# KiCad board BACKUP_PCB.kicad_pcb (continued)
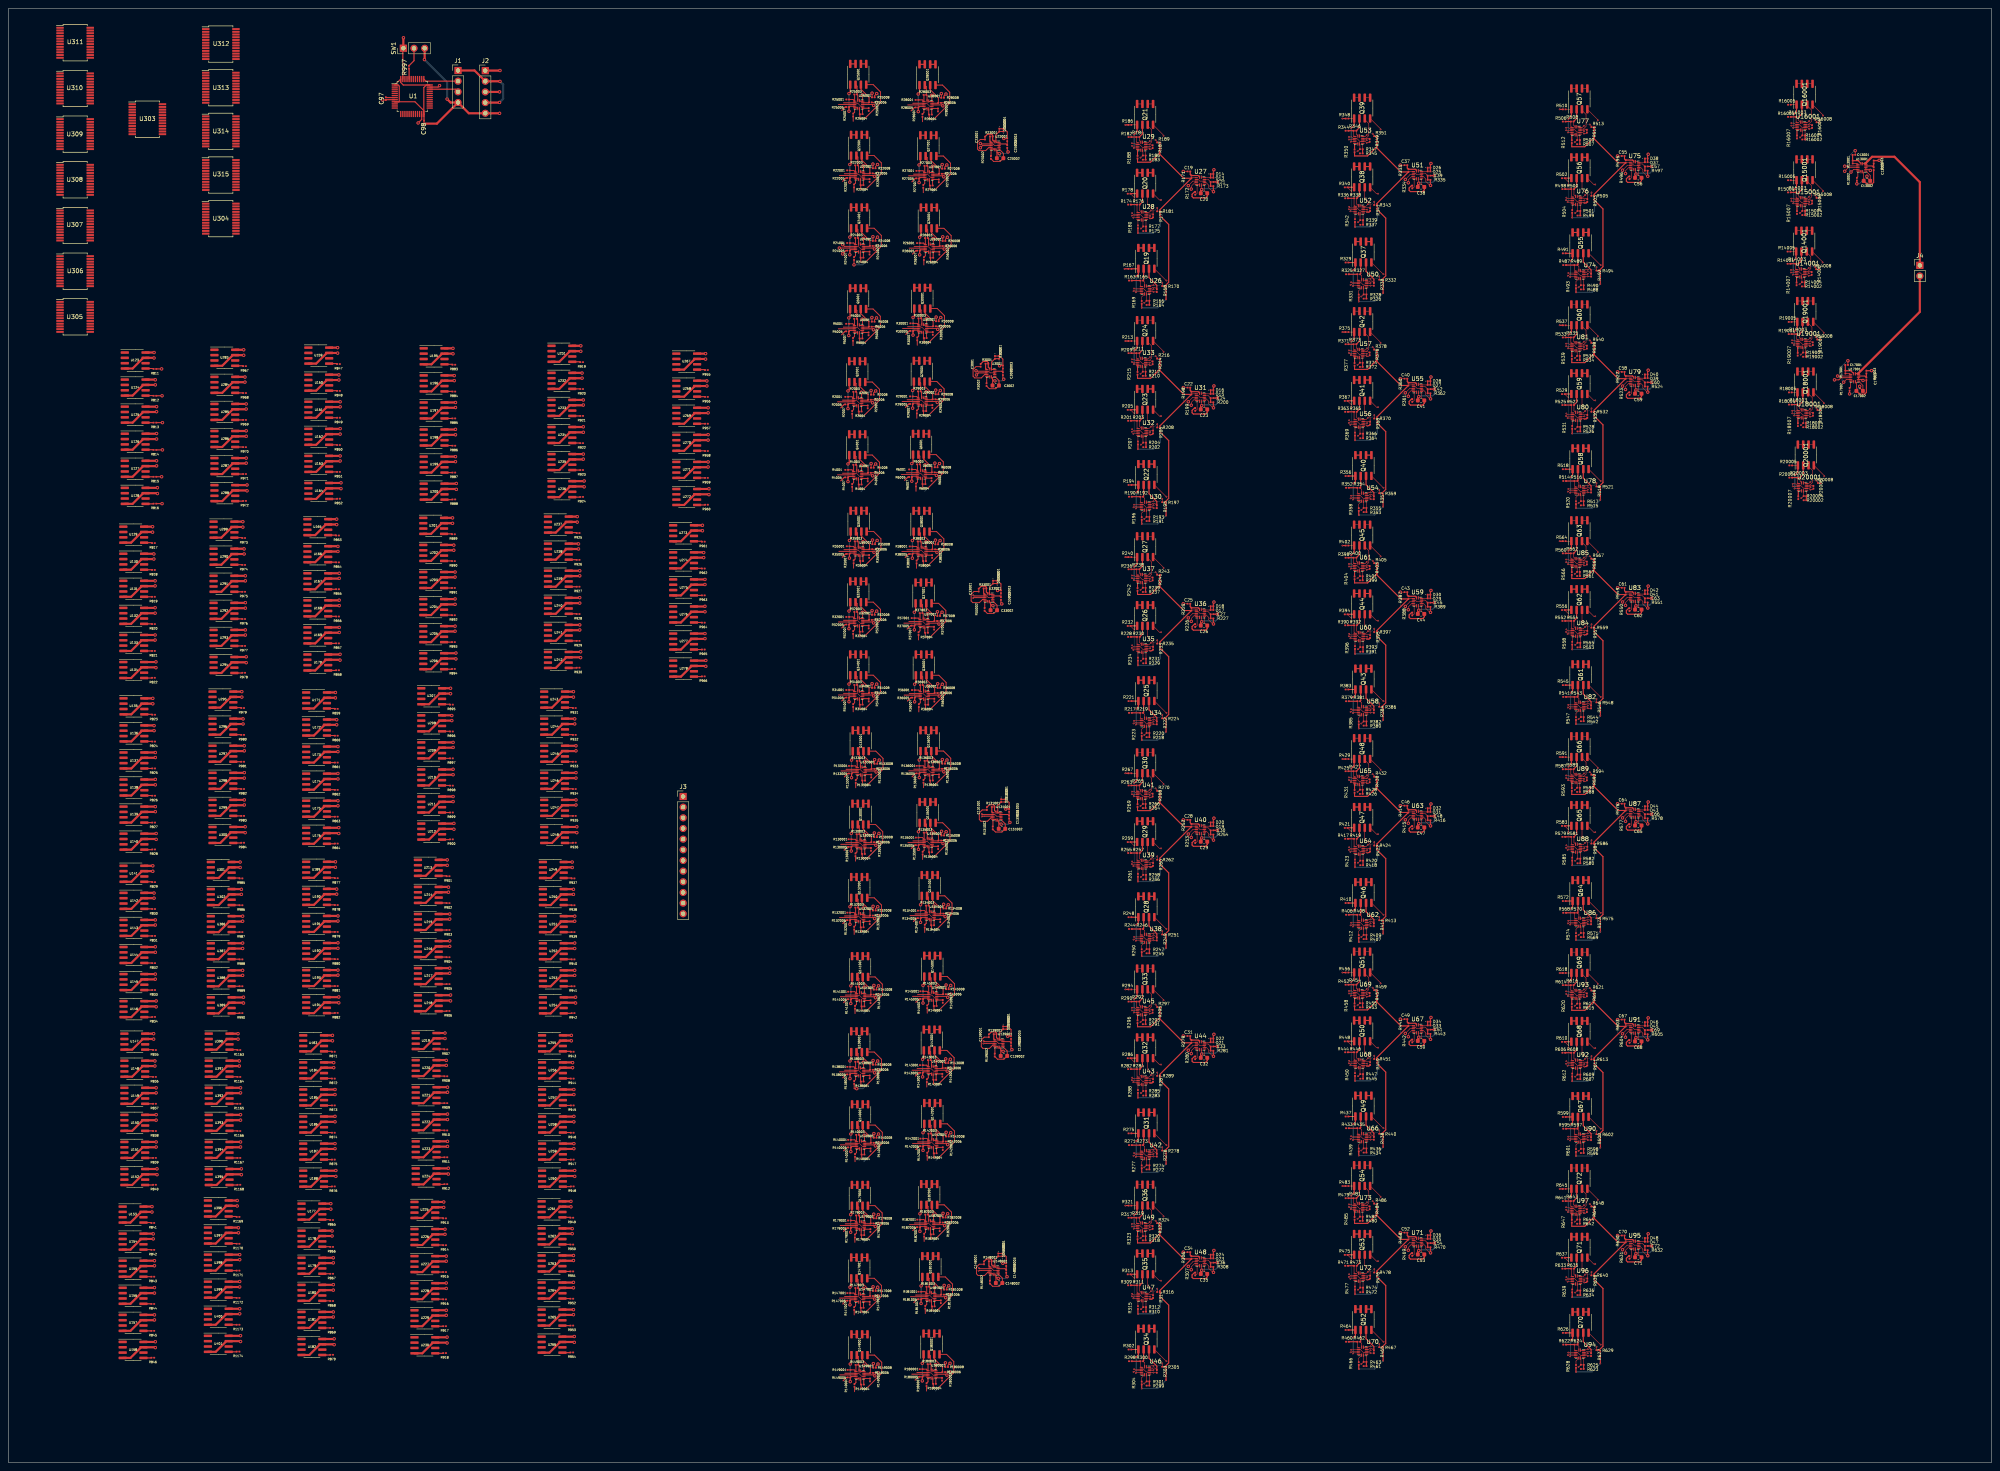
[diagram p0: board, top side]
## Routing (per net, layer and track width the routed paths; a pad name or vN(x,y) marks a point on that pad's centre or on a via; arc(x,y) is an arc through that point) (continued)
  Top w0.15: v2(437.41,307.7) 438.26,308.55 U13001.3
  Top w0.2: U131001.3 231.94,154.03 v1(231.86,153.94) ; U138001.3 197.97,93.1 ; U145001.3 215.37,111.1 ; U33001.3 229.92,206.1 v1(229.83,206) ; U2001.3 197.49,252.75 ; U32001.3 197.73,200.3 ; U24001.3 v2(197.93,289.4) ; U149001.3 198.03,20.89 ; U28001.3 214.23,323.5 ; U132001.3 197.97,129.85 ; U141001.3 198.17,111 ; U30001.3 212.99,270.25 ; U36001.3 213.36,182.88 ; U37001.3 213.3,200.03 ; U179001.3 198.13,56.49 ; U34001.3 197.73,182.9 ; v2(230.6,259.16) 230.98,259.54 230.98,259.65 U3001.3 ; U182001.3 214.63,56.69 ; U139001.3 232.29,99.9 v1(232.24,99.85) ; U38001.3 212.83,217.1 ; U27001.3 214.43,306.6 ; U17001.3 436.53,258.5 436.02,257.99 v2(434.98,257.99) ; v2(231.53,313.3) 231.53,313.31 232.02,313.8 U23001.3 ; U5001.3 197.69,270.15 ; U180001.3 215.2,21.07 ; U135001.3 214.27,147.72 ; U22001.3 197.93,306.7 ; U136001.3 214.47,164.82 ; U35001.3 197.83,217.12 ; U29001.3 212.89,252.85 ; U143001.3 215.27,93.5 ; U26001.3 214.56,289.38 ; U148001.3 231.16,45.79 v1(231.09,45.72) ; U6001.3 212.69,235.45 ; U142001.3 215.37,76 ; U134001.3 214.77,130.32 ; U25001.3 197.73,323.6 ; U133001.3 198.34,164.8 ; U4001.3 197.49,235.35 ; U140001.3 198.17,75.7 ; U147001.3 197.97,39.19 ; U181001.3 214.9,39.52 ; U130001.3 198.27,147.32
  Top w0.25: R816.1 v2(36.6,228.5) ; R815.1 v2(36.5,234.9) ; R813.1 v2(36.7,247.8) ; R812.1 v2(36.6,254.2) ; R814.1 v2(36.7,241.3) ; R811.1 v2(36.5,260.6)
  Top w0.5: U197.8 106.5,252.61 v2(106.5,252.6) ; v2(56.65,245.85) 56.61,245.81 U286.8 ; U299.8 56.19,157.91 v2(56.2,157.9) ; U399.8 55.06,43.11 v2(55.1,43.15) ; U271.8 166.67,238.44 v2(166.68,238.44) ; v2(55.6,183.7) 55.59,183.71 U295.8 ; v2(35,122.9) 34.95,122.85 U144.8 ; v2(55.8,117.3) 55.8,117.31 U388.8 ; v2(35,169.2) 34.99,169.21 U137.8 ; v2(34.9,95.7) 34.84,95.75 U148.8 ; U250.8 134.54,136.66 v2(134.6,136.6) ; v2(35.3,251.6) 35.3,251.61 U125.8 ; v2(35.2,89.3) 35.2,89.31 U149.8 ; U220.8 104.25,95.9 v2(104.3,95.85) ; U134.8 35.1,190.75 v2(35.15,190.8) ; U217.8 105.12,117.82 v2(105.12,117.81) ; v2(56.45,211.3) 56.44,211.31 U291.8 ; U237.8 135.5,225.41 v2(135.5,225.4) ; U189.8 77.89,143.16 v2(77.9,143.15) ; v2(56.65,239.35) 56.64,239.36 U287.8 ; v2(104.3,36.3) 104.3,36.31 U229.8 ; v2(105.12,124.31) 105.08,124.27 U216.8 ; U157.8 34.8,35.2 v2(34.8,35.2) ; U266.8 134.75,30 v2(134.8,30.05) ; 52.47,49.56 55.09,49.56 v2(55.1,49.55) ; v2(136.1,212.5) 136.09,212.5 U239.8 ; v2(136.35,266.1) 136.34,266.11 U231.8 ; 103.78,212.21 106.39,212.21 v2(106.4,212.2) ; v2(134.7,82.5) 134.66,82.45 U258.8 ; U218.8 105.28,111.37 v2(105.33,111.41) ; v2(78.8,199) 78.8,199 U169.8 ; U275.8 165.92,210.44 v2(165.93,210.44) ; v2(56.2,170.8) 56.19,170.81 U297.8 ; v2(78.2,224.8) 78.19,224.81 U165.8 ; U196.8 106.14,259.06 v2(106.2,259) ; v2(79.03,252.76) 79.02,252.77 U161.8 ; v2(56.45,204.9) 56.41,204.85 U292.8 ; v2(34.2,61) 34.2,61 U153.8 ; U152.8 35.35,69.95 v2(35.4,70) ; v2(78.2,177) 78.14,177.06 U172.8 ; U170.8 78.95,192.56 v2(79,192.6) ; v2(35,162.8) 34.95,162.75 U138.8 ; v2(55.1,36.65) 55.09,36.65 U400.8 ; U225.8 103.69,62.11 v2(103.7,62.1) ; U133.8 34.95,197.21 v2(34.95,197.2) ; U171.8 77.89,183.5 v2(77.9,183.5) ; U270.8 166.63,244.89 v2(166.68,244.94) ; 52.67,82.86 55.25,82.86 v2(55.3,82.9) ; U284.8 56.3,258.7 v2(56.35,258.65) ; U241.8 136.09,199.6 v2(136.1,199.6) ; U183.8 77.19,101.81 v2(77.2,101.8) ; 101.67,29.86 104.45,29.86 v2(104.5,29.9) ; U240.8 136.06,206.06 v2(136.1,206.1) ; U187.8 77.8,76 v2(77.8,76) ; U242.8 136.25,193.16 v2(136.3,193.2) ; U207.8 105.32,184.51 v2(105.33,184.5) ; U255.8 134.09,101.81 v2(134.1,101.8) ; v2(106.4,199.3) 106.39,199.31 103.78,199.31 ; U254.8 135.06,110.85 v2(135.1,110.9) ; U296.8 55.84,177.25 v2(55.9,177.2) ; v2(134.7,76) 134.69,76 U259.8 ; v2(34.95,210.1) 34.95,210.1 U131.8 ; 32.58,82.86 35.16,82.86 v2(35.2,82.9) ; U162.8 78.98,246.32 v2(79.03,246.37) ; U234.8 136.91,246.75 v2(136.95,246.8) ; U160.8 78.67,259.22 v2(78.72,259.17) ; v2(55.5,136.6) 55.44,136.66 U302.8 ; v2(165.93,197.53) 165.92,197.54 U277.8 ; v2(35.2,110) 35.16,109.96 U146.8 ; 74.78,29.45 77.56,29.45 v2(77.6,29.5) ; v2(105.92,158.71) 105.92,158.71 U211.8 ; v2(35,156.3) 34.99,156.31 U139.8 ; v2(34.7,175.6) 34.65,175.66 U136.8 ; U401.8 55.25,30.2 v2(55.3,30.25) ; v2(77.4,35.9) 77.39,35.9 74.78,35.9 ; U396.8 54.5,62.45 v2(54.5,62.45) ; U143.8 34.99,129.31 v2(35,129.3) ; v2(104.6,76.55) 104.59,76.56 101.97,76.56 ; U278.8 166.08,191.09 v2(166.12,191.13) ; U156.8 34.76,41.65 v2(34.8,41.7) ; v2(105.9,265.5) 105.89,265.5 U195.8 ; v2(135.2,170.8) 135.19,170.81 U245.8 ; v2(34.8,48.1) 34.8,48.11 U155.8 ; v2(134.7,88.9) 134.69,88.9 U257.8 ; U209.8 105.92,171.61 v2(105.92,171.6) ; U198.8 106.45,246.16 v2(106.5,246.2) ; U228.8 104.25,42.75 v2(104.3,42.8) ; v2(35,258) 34.95,258.06 U124.8 ; v2(78.5,218.3) 78.44,218.35 U166.8 ; v2(76.8,61.7) 76.8,61.7 74.78,61.7 ; J2.3 117,326.6 v2(117,326.6) ; U244.8 134.84,177.25 v2(134.9,177.2) ; v2(104,55.6) 103.94,55.65 U226.8 ; v2(104.83,137.12) 104.77,137.17 U214.8 ; v2(166.07,264.24) 166.07,264.24 U267.8 ; U247.8 135.19,157.91 v2(135.2,157.9) ; 74.78,55.25 77.05,55.25 v2(77.1,55.2) ; v2(35.2,76.4) 35.2,76.4 U151.8 ; v2(56.65,192) 56.61,191.96 U294.8 ; v2(79.03,239.87) 79.02,239.87 U163.8 ; v2(136.95,240.3) 136.94,240.31 U235.8 ; v2(104,102.35) 104,102.36 101.97,102.36 ; v2(78.5,123.85) 78.45,123.81 U192.8 ; U168.8 78.75,205.46 v2(78.8,205.5) ; U288.8 56.81,232.91 v2(56.85,232.95) ; v2(35.3,245.2) 35.26,245.16 U126.8 ; v2(135.2,164.4) 135.16,164.35 U246.8 ; v2(78.5,157.7) 78.5,157.71 U175.8 ; U236.8 137.1,233.86 v2(137.15,233.9) ; U387.8 55.75,123.75 v2(55.8,123.8) ; v2(35,28.8) 34.95,28.75 U158.8 ; U269.8 166.67,251.34 v2(166.68,251.33) ; v2(106.7,233.3) 106.66,233.25 U200.8 ; U174.8 78.45,164.16 v2(78.5,164.2) ; v2(77.8,82.5) 77.75,82.45 U186.8 ; U233.8 136.94,253.2 v2(136.95,253.2) ; v2(106.12,152.31) 106.08,152.26 U212.8 ; v2(77.5,95.3) 77.44,95.36 75.17,95.36 ; U173.8 78.5,170.6 v2(78.5,170.6) ; U274.8 165.57,216.89 v2(165.62,216.84) ; v2(134.9,117.3) 134.9,117.31 U253.8 ; U276.8 165.88,203.99 v2(165.93,204.03) ; 103.78,218.66 106.05,218.66 v2(106.1,218.6) ; U185.8 77.8,88.9 v2(77.8,88.9) ; v2(134.6,36.45) 134.59,36.45 U265.8 ; v2(134.6,42.95) 134.56,42.9 U264.8 ; U290.8 56.09,217.75 v2(56.15,217.7) ; U243.8 134.59,183.71 v2(134.6,183.7) ; U159.8 78.42,265.67 v2(78.42,265.67) ; 131.97,49.36 134.59,49.36 v2(134.6,49.35) ; v2(134.4,95.3) 134.34,95.36 132.07,95.36 ; U191.8 78.5,130.25 v2(78.5,130.25) ; U213.8 104.52,143.62 v2(104.53,143.62) ; v2(55.5,70) 55.45,69.95 U395.8 ; 74.78,48.81 77.39,48.81 v2(77.4,48.8) ; U208.8 105.57,178.06 v2(105.62,178) ; v2(55.3,76.4) 55.3,76.4 U394.8 ; v2(78.2,136.65) 78.14,136.71 U190.8 ; v2(35.5,232.3) 35.45,232.25 U128.8 ; 74.78,42.36 77.36,42.36 v2(77.4,42.4) ; U141.8 34.4,142.21 v2(34.4,142.2) ; v2(56.65,252.25) 56.64,252.25 U285.8 ; U127.8 35.3,238.7 v2(35.3,238.7) ; U268.8 166.32,257.79 v2(166.38,257.74) ; U261.8 134,62.25 v2(134,62.25) ; U300.8 56.36,151.46 v2(56.4,151.5) ; U193.8 78.5,117.35 v2(78.5,117.35) ; v2(134.3,143.1) 134.29,143.1 U249.8 ; U210.8 105.88,165.16 v2(105.92,165.21) ; U390.8 54.69,102.2 v2(54.7,102.2) ; U129.8 34.34,223 v2(34.35,223) ; v2(56,110.9) 55.95,110.85 U389.8 ; v2(105.12,130.72) 105.12,130.72 U215.8 ; U272.8 166.83,231.99 v2(166.88,232.03) ; 32.17,54.56 34.45,54.56 v2(34.5,54.5) ; U252.8 134.85,123.75 v2(134.9,123.8) ; v2(104.8,70.15) 104.75,70.11 U224.8 ; v2(134.9,130.2) 134.9,130.21 U251.8 ; v2(34.65,216.5) 34.59,216.56 U130.8 ; 75.17,69.56 77.95,69.56 v2(78,69.6) ; U232.8 136.59,259.65 v2(136.65,259.6) ; v2(34.7,135.7) 34.65,135.75 U142.8 ; v2(35.2,149.9) 35.16,149.85 U140.8 ; U123.8 34.7,264.5 v2(34.7,264.5) ; U283.8 56.05,265.15 v2(56.05,265.15) ; U248.8 135.35,151.46 v2(135.4,151.5) ; v2(56.2,164.4) 56.16,164.35 U298.8 ; U164.8 79.18,233.42 v2(79.22,233.47) ; v2(104.3,49.2) 104.3,49.2 U227.8 ; v2(55.85,224.2) 55.84,224.21 U289.8 ; U301.8 55.19,143.1 v2(55.2,143.1) ; 103.78,205.75 106.36,205.75 v2(106.4,205.8) ; v2(35,116.4) 34.99,116.41 U145.8 ; U221.8 104.59,89.45 v2(104.6,89.45) ; v2(55.3,89.3) 55.3,89.31 U392.8 ; v2(106.6,192.9) 106.56,192.85 103.78,192.85 ; v2(78.7,110.95) 78.66,110.91 U194.8 ; v2(134.3,55.75) 134.25,55.81 U262.8 ; v2(78.7,151.3) 78.66,151.25 U176.8 ; v2(54.8,55.95) 54.75,56 U397.8 ; U391.8 54.94,95.75 v2(55,95.7) ; U386.8 55.8,130.21 v2(55.8,130.2) ; v2(105.8,225.1) 105.8,225.1 103.78,225.1 ; U293.8 56.44,198.41 v2(56.45,198.4) ; v2(135.8,218.9) 135.75,218.96 U238.8 ; U167.8 78.8,211.91 v2(78.8,211.9) ; U147.8 34.59,102.2 v2(34.6,102.2) ; U222.8 104.56,83 v2(104.6,83.05) ; U135.8 34.4,182.1 v2(34.4,182.1) ; 132.07,69.56 134.85,69.56 v2(134.9,69.6) ; U273.8 165.32,223.34 v2(165.32,223.34) ; U132.8 34.91,203.66 v2(34.95,203.7) ; U199.8 106.5,239.7 v2(106.5,239.7)
-5V: length 160.4
  Top w0.1: U56.10 v1(323.66,247.68) ; U47.10 v1(271.96,39.55) ; v1(324.46,281.1) 324.27,280.9 U50.10 ; U60.10 v1(323.66,196.81) ; U34.10 272.57,176.4 v1(272.76,176.6) ; U33.10 271.8,262.15 v1(271.86,262.08) ; U52.10 v1(323.66,298.55) ; v1(323.56,264.21) 323.5,264.28 U57.10 ; v1(271.86,159.08) 271.8,159.15 U41.10 ; U53.10 323.5,315.15 v1(323.56,315.08) ; U70.10 324.27,26.55 v1(324.46,26.75) ; v1(376.2,180.4) 376.01,180.2 U82.10 ; U62.10 324.27,128.29 v1(324.46,128.49) ; v1(324.46,77.62) 324.27,77.42 U66.10 ; U73.10 323.5,60.8 v1(323.56,60.73) ; U93.10 375.24,111.56 v1(375.31,111.49) ; v1(324.46,230.23) 324.27,230.03 U54.10 ; U37.10 271.8,210.65 v1(271.86,210.58) ; v1(428.95,300.39) 428.88,300.45 U15001.10 ; v1(272.76,125.1) 272.57,124.9 U38.10 ; U18001.10 429.1,249.9 v1(429.16,249.83) ; U92.10 v1(375.4,94.96) ; U68.10 v1(323.66,95.07) ; U84.10 v1(375.4,197.85) ; v1(375.31,214.38) 375.24,214.45 U85.10 ; v1(375.31,317.27) 375.24,317.34 U77.10 ; v1(429.26,232.43) 429.2,232.5 U20001.10 ; v1(272.76,228.1) 272.57,227.9 U30.10 ; U43.10 v1(271.96,91.05) ; U16001.10 428.88,318.45 v1(428.95,318.39) ; v1(376.2,128.95) 376.01,128.76 U86.10 ; U35.10 v1(271.96,194.05) ; U89.10 375.24,163.01 v1(375.31,162.94) ; v1(272.76,73.6) 272.57,73.4 U42.10 ; U46.10 272.57,21.9 v1(272.76,22.1) ; U78.10 376.01,231.64 v1(376.2,231.84) ; v1(375.31,265.83) 375.24,265.89 U81.10 ; v1(376.2,26.06) 376.01,25.87 U94.10 ; U88.10 v1(375.4,146.41) ; U26.10 272.57,279.4 v1(272.76,279.6) ; U72.10 v1(323.66,44.2) ; U28.10 v1(271.96,297.05) ; v1(271.86,313.58) 271.8,313.65 U29.10 ; U45.10 271.8,107.65 v1(271.86,107.58) ; U74.10 376.01,283.09 v1(376.2,283.28) ; v1(323.56,162.47) 323.5,162.54 U65.10 ; U69.10 323.5,111.67 v1(323.56,111.6) ; U14001.10 428.78,283.45 v1(428.85,283.39) ; U96.10 v1(375.4,43.52) ; U80.10 v1(375.4,249.29) ; U58.10 324.27,179.16 v1(324.46,179.36) ; U64.10 v1(323.66,145.94) ; v1(429.11,266.63) 429.05,266.7 U19001.10 ; v1(375.31,60.05) 375.24,60.12 U97.10 ; U61.10 323.5,213.41 v1(323.56,213.34) ; U49.10 271.8,56.15 v1(271.86,56.08) ; U32.10 v1(271.96,245.55) ; U90.10 376.01,77.31 v1(376.2,77.51) ; U39.10 v1(271.96,142.55) ; U76.10 v1(375.4,300.74)
  Top w0.2: U136001.10 222.61,164.82 v2(222.83,164.6) ; v2(223.63,93.27) 223.4,93.5 U143001.10 ; v2(206.39,20.67) 206.17,20.89 U149001.10 ; v2(223.13,130.1) 222.91,130.32 U134001.10 ; v2(206.63,147.1) 206.41,147.32 U130001.10 ; U135001.10 222.41,147.72 v2(222.63,147.5) ; v2(222.59,323.27) 222.37,323.5 U28001.10 ; U29001.10 221.03,252.85 v2(221.25,252.62) ; U4001.10 205.63,235.35 v2(205.85,235.12) ; U180001.10 223.33,21.07 v2(223.56,20.84) ; U37001.10 221.44,200.03 v2(221.66,199.8) ; U147001.10 206.1,39.19 v2(206.33,38.97) ; v2(206.29,289.17) 206.07,289.4 U24001.10 ; U6001.10 220.83,235.45 v2(221.05,235.22) ; U22001.10 206.07,306.7 v2(206.29,306.47) ; v2(206.05,269.92) 205.83,270.15 U5001.10 ; U32001.10 205.87,200.3 v2(206.09,200.07) ; U25001.10 205.87,323.6 v2(206.09,323.37) ; v2(223.73,110.87) 223.5,111.1 U145001.10 ; U179001.10 206.27,56.49 v2(206.49,56.27) ; v2(222.99,56.47) 222.77,56.69 U182001.10 ; U35001.10 205.97,217.12 v2(206.2,216.9) ; U141001.10 206.3,111 v2(206.53,110.77) ; U2001.10 205.63,252.75 v2(205.85,252.52) ; U138001.10 206.1,93.1 v2(206.33,92.87) ; v2(221.73,182.65) 221.5,182.88 U36001.10 ; v2(206.09,182.67) 205.87,182.9 U34001.10 ; v2(206.33,129.62) 206.1,129.85 U132001.10 ; U140001.10 206.3,75.7 v2(206.53,75.47) ; U133001.10 206.47,164.8 v2(206.7,164.57) ; v2(223.26,39.29) 223.04,39.52 U181001.10 ; v2(223.73,75.77) 223.5,76 U142001.10 ; v2(221.35,270.02) 221.13,270.25 U30001.10 ; v2(222.79,306.37) 222.57,306.6 U27001.10 ; U38001.10 220.97,217.1 v2(221.19,216.87) ; v2(222.93,289.15) 222.7,289.38 U26001.10
  Top w0.5: v2(117.1,331.7) 117.07,331.68 J2.1
GND: length 2429
  Top w0.1: v2(287.06,96.83) 286.88,96.83 285.89,97.81 285.89,98.39 285.34,98.95 U44.9 U44.10 283.82,99.35 283.42,99.75 U44.2 ; 376.98,128.31 v1(376.2,128.31) 376.15,128.36 U86.9 374.82,128.36 374.72,128.46 374.47,128.46 373.77,129.16 U86.2 ; U82.2 373.77,180.6 374.47,179.9 374.72,179.9 374.82,179.8 U82.9 376.15,179.8 v1(376.2,179.75) 376.98,179.75 ; v1(371.11,198.53) 371.38,198.25 U84.2 373,198.25 373.7,197.55 373.9,197.55 374,197.45 U84.9 ; 216.49,235.8 217.01,235.8 217.06,235.75 217.29,235.75 217.99,235.05 U6001.9 ; 201.29,253.1 201.81,253.1 201.86,253.05 202.09,253.05 202.79,252.35 U2001.9 ; 273.54,278.95 v1(272.76,278.95) 272.71,279 U26.9 271.38,279 271.28,279.1 271.03,279.1 270.33,279.8 U26.2 ; v1(323.66,43.6) 323.51,43.75 322.76,43.75 ; R619.1 375.75,110.89 v1(375.3,110.89) 375.23,110.96 375.2,110.96 375,111.16 U93.9 373.92,111.16 373.82,111.26 373.6,111.26 372.9,111.96 U93.2 372.02,111.96 371.7,112.29 v1(371.05,112.29) ; U149001.9 203.33,20.49 202.63,21.19 202.41,21.19 202.36,21.24 201.83,21.24 ; U136001.9 219.77,164.43 219.07,165.12 218.85,165.12 218.8,165.18 218.27,165.18 ; U29001.9 218.19,252.45 217.49,253.15 217.26,253.15 217.21,253.2 216.69,253.2 ; R268.1 272.31,158.48 v1(271.86,158.48) 271.79,158.55 271.76,158.55 271.56,158.75 U41.9 270.48,158.75 270.38,158.85 270.16,158.85 269.46,159.55 U41.2 268.58,159.55 268.26,159.88 v1(267.61,159.88) ; U24001.9 203.23,289 202.53,289.7 202.3,289.7 202.25,289.75 201.73,289.75 ; R565.1 375.75,213.78 v1(375.3,213.78) 375.23,213.85 375.2,213.85 375,214.05 U85.9 373.92,214.05 373.82,214.15 373.6,214.15 372.9,214.85 U85.2 372.02,214.85 371.7,215.18 v1(371.05,215.18) ; 271.06,193.6 271.81,193.6 v1(271.96,193.45) ; v2(287.06,148.33) 286.88,148.33 285.89,149.31 285.89,149.89 285.34,150.45 U40.9 U40.10 283.82,150.85 283.42,151.25 U40.2 ; 373.3,231.99 v1(371.57,231.99) ; v1(267.66,246.23) 267.94,245.95 U32.2 269.56,245.95 270.26,245.25 270.46,245.25 270.56,245.15 U32.9 ; v1(371.11,249.97) 371.38,249.69 U80.2 373,249.69 373.7,248.99 373.9,248.99 374,248.89 U80.9 ; 325.24,127.84 v1(324.46,127.84) 324.41,127.89 U62.9 323.08,127.89 322.98,127.99 322.73,127.99 322.03,128.69 U62.2 ; 219,21.42 219.52,21.42 219.57,21.37 219.8,21.37 220.5,20.67 U180001.9 ; v1(319.31,265.01) 319.96,265.01 320.28,264.68 U57.2 321.16,264.68 321.86,263.98 322.08,263.98 322.18,263.88 U57.9 323.26,263.88 323.46,263.68 323.49,263.68 v1(323.56,263.61) 324.01,263.61 R376.1 ; U58.2 322.03,179.56 322.73,178.86 322.98,178.86 323.08,178.76 U58.9 324.41,178.76 v1(324.46,178.71) 325.24,178.71 ; v1(371.05,163.73) 371.7,163.73 372.02,163.41 U89.2 372.9,163.41 373.6,162.71 373.82,162.71 373.92,162.61 U89.9 375,162.61 375.2,162.41 375.23,162.41 v1(375.3,162.34) 375.75,162.34 R592.1 ; 201.53,183.25 202.05,183.25 202.1,183.2 202.33,183.2 203.03,182.5 U34001.9 ; v2(338.76,304.33) 338.58,304.33 337.59,305.31 337.59,305.89 337.04,306.45 U51.9 U51.10 335.52,306.85 335.12,307.25 U51.2 ; v1(425.01,233.23) 425.66,233.23 425.98,232.9 U20001.2 426.86,232.9 427.56,232.2 427.78,232.2 427.88,232.1 U20001.9 428.96,232.1 429.16,231.9 429.19,231.9 v1(429.26,231.83) 429.71,231.83 R20006.1 ; 373.3,26.22 v1(371.57,26.22) ; U179001.9 203.43,56.09 202.73,56.79 202.51,56.79 202.46,56.84 201.93,56.84 ; U96.9 374,43.12 373.9,43.22 373.7,43.22 373,43.92 U96.2 371.38,43.92 v1(371.11,44.19) ; U142001.9 220.67,75.6 219.97,76.3 219.74,76.3 219.69,76.35 219.17,76.35 ; U59.2 335.12,205.51 335.52,205.11 U59.10 U59.9 337.04,204.71 337.59,204.15 337.59,203.57 338.58,202.59 v2(338.76,202.59) ; 216.63,217.45 217.15,217.45 217.2,217.4 217.43,217.4 218.13,216.7 U38001.9 ; 373.3,283.44 v1(371.57,283.44) ; 273.54,21.45 v1(272.76,21.45) 272.71,21.5 U46.9 271.38,21.5 271.28,21.6 271.03,21.6 270.33,22.3 U46.2 ; 269.86,22.25 v1(268.13,22.25) ; v2(338.76,253.46) 338.58,253.46 337.59,254.44 337.59,255.02 337.04,255.58 U55.9 U55.10 335.52,255.98 335.12,256.38 U55.2 ; v1(323.66,247.08) 323.51,247.23 322.76,247.23 ; U27001.9 219.73,306.2 219.03,306.9 218.8,306.9 218.75,306.95 218.23,306.95 ; v1(271.96,90.45) 271.81,90.6 271.06,90.6 ; 269.86,125.25 v1(268.13,125.25) ; U28.9 270.56,296.65 270.46,296.75 270.26,296.75 269.56,297.45 U28.2 267.94,297.45 v1(267.66,297.73) ; v1(424.91,250.63) 425.56,250.63 425.88,250.3 U18001.2 426.76,250.3 427.46,249.6 427.68,249.6 427.78,249.5 U18001.9 428.86,249.5 429.06,249.3 429.09,249.3 v1(429.16,249.23) 429.61,249.23 R18006.1 ; v1(319.36,146.62) 319.64,146.34 U64.2 321.26,146.34 321.96,145.64 322.16,145.64 322.26,145.54 U64.9 ; R19006.1 429.56,266.03 v1(429.11,266.03) 429.04,266.1 429.01,266.1 428.81,266.3 U19001.9 427.73,266.3 427.63,266.4 427.41,266.4 426.71,267.1 U19001.2 425.83,267.1 425.51,267.43 v1(424.86,267.43) ; v2(287.06,302.83) 286.88,302.83 285.89,303.81 285.89,304.39 285.34,304.95 U27.9 U27.10 283.82,305.35 283.42,305.75 U27.2 ; R430.1 324.01,161.87 v1(323.56,161.87) 323.49,161.94 323.46,161.94 323.26,162.14 U65.9 322.18,162.14 322.08,162.24 321.86,162.24 321.16,162.94 U65.2 320.28,162.94 319.96,163.27 v1(319.31,163.27) ; 219.07,93.85 219.59,93.85 219.64,93.8 219.87,93.8 220.57,93.1 U143001.9 ; 271.06,39.1 271.81,39.1 v1(271.96,38.95) ; U35001.9 203.13,216.72 202.43,217.43 202.21,217.43 202.16,217.47 201.63,217.47 ; v1(271.96,244.95) 271.81,245.1 271.06,245.1 ; 321.56,128.64 v1(319.83,128.64) ; 269.86,228.25 v1(268.13,228.25) ; R538.1 375.75,265.23 v1(375.3,265.23) 375.23,265.29 375.2,265.29 375,265.49 U81.9 373.92,265.49 373.82,265.59 373.6,265.59 372.9,266.29 U81.2 372.02,266.29 371.7,266.62 v1(371.05,266.62) ; 374.5,43.07 375.25,43.07 v1(375.4,42.92) ; 219.17,111.45 219.69,111.45 219.74,111.4 219.97,111.4 220.67,110.7 U145001.9 ; 218.03,323.85 218.55,323.85 218.6,323.8 218.83,323.8 219.53,323.1 U28001.9 ; v2(338.76,151.72) 338.58,151.72 337.59,152.7 337.59,153.28 337.04,153.84 U63.9 U63.10 335.52,154.24 335.12,154.64 U63.2 ; v1(319.36,299.23) 319.64,298.95 U52.2 321.26,298.95 321.96,298.25 322.16,298.25 322.26,298.15 U52.9 ; 202.07,147.68 202.6,147.68 202.65,147.62 202.87,147.62 203.57,146.93 U130001.9 ; U181001.9 220.2,39.12 219.5,39.82 219.28,39.82 219.23,39.87 218.7,39.87 ; R511.1 375.75,316.67 v1(375.3,316.67) 375.23,316.74 375.2,316.74 375,316.94 U77.9 373.92,316.94 373.82,317.04 373.6,317.04 372.9,317.74 U77.2 372.02,317.74 371.7,318.06 v1(371.05,318.06) ; 325.24,26.1 v1(324.46,26.1) 324.41,26.15 U70.9 323.08,26.15 322.98,26.25 322.73,26.25 322.03,26.95 U70.2 ; v2(390.5,49.29) 390.32,49.29 389.34,50.28 389.34,50.86 388.78,51.42 U95.9 U95.10 387.26,51.82 386.86,52.22 U95.2 ; v2(390.5,306.51) 390.32,306.51 389.34,307.5 389.34,308.08 388.78,308.64 U75.9 U75.10 387.26,309.04 386.86,309.44 U75.2 ; v2(390.5,100.74) 390.32,100.74 389.34,101.72 389.34,102.31 388.78,102.86 U91.9 U91.10 387.26,103.26 386.86,103.66 U91.2 ; U141001.9 203.47,110.6 202.77,111.3 202.54,111.3 202.49,111.35 201.97,111.35 ; U26001.9 219.86,288.98 219.16,289.68 218.94,289.68 218.89,289.73 218.36,289.73 ; 322.76,298.1 323.51,298.1 v1(323.66,297.95) ; U5001.9 202.99,269.75 202.29,270.45 202.06,270.45 202.01,270.5 201.49,270.5 ; v1(267.66,40.23) 267.94,39.95 U47.2 269.56,39.95 270.26,39.25 270.46,39.25 270.56,39.15 U47.9 ; 325.24,229.58 v1(324.46,229.58) 324.41,229.63 U54.9 323.08,229.63 322.98,229.73 322.73,229.73 322.03,230.43 U54.2 ; R187.1 272.31,312.98 v1(271.86,312.98) 271.79,313.05 271.76,313.05 271.56,313.25 U29.9 270.48,313.25 270.38,313.35 270.16,313.35 269.46,314.05 U29.2 268.58,314.05 268.26,314.38 v1(267.61,314.38) ; 322.76,145.49 323.51,145.49 v1(323.66,145.34) ; U92.9 374,94.56 373.9,94.66 373.7,94.66 373,95.36 U92.2 371.38,95.36 v1(371.11,95.64) ; 322.76,94.62 323.51,94.62 v1(323.66,94.47) ; 374.5,145.96 375.25,145.96 v1(375.4,145.81) ; 376.98,76.86 v1(376.2,76.86) 376.15,76.91 U90.9 374.82,76.91 374.72,77.01 374.47,77.01 373.77,77.71 U90.2 ; 321.56,230.38 v1(319.83,230.38) ; v1(424.69,319.18) 425.34,319.18 425.67,318.85 U16001.2 426.54,318.85 427.24,318.15 427.47,318.15 427.57,318.05 U16001.9 428.64,318.05 428.84,317.85 428.87,317.85 v1(428.94,317.79) 429.39,317.79 R16006.1 ; v1(319.36,197.49) 319.64,197.21 U60.2 321.26,197.21 321.96,196.51 322.16,196.51 322.26,196.41 U60.9 ; 273.54,124.45 v1(272.76,124.45) 272.71,124.5 U38.9 271.38,124.5 271.28,124.6 271.03,124.6 270.33,125.3 U38.2 ; 273.54,175.95 v1(272.76,175.95) 272.71,176 U34.9 271.38,176 271.28,176.1 271.03,176.1 270.33,176.8 U34.2 ; R646.1 375.75,59.45 v1(375.3,59.45) 375.23,59.52 375.2,59.52 375,59.72 U97.9 373.92,59.72 373.82,59.82 373.6,59.82 372.9,60.52 U97.2 372.02,60.52 371.7,60.84 v1(371.05,60.84) ; 322.76,196.36 323.51,196.36 v1(323.66,196.21) ; 218.07,148.07 218.6,148.07 218.65,148.03 218.87,148.03 219.57,147.32 U135001.9 ; U138001.9 203.27,92.7 202.57,93.4 202.34,93.4 202.29,93.45 201.77,93.45 ; U78.2 373.77,232.04 374.47,231.34 374.72,231.34 374.82,231.24 U78.9 376.15,231.24 v1(376.2,231.19) 376.98,231.19 ; 202.14,165.15 202.66,165.15 202.71,165.1 202.94,165.1 203.64,164.4 U133001.9 ; 201.53,200.65 202.05,200.65 202.1,200.6 202.33,200.6 203.03,199.9 U32001.9 ; v2(287.06,251.33) 286.88,251.33 285.89,252.31 285.89,252.89 285.34,253.45 U31.9 U31.10 283.82,253.85 283.42,254.25 U31.2 ; U83.2 386.86,206.55 387.26,206.15 U83.10 U83.9 388.78,205.75 389.34,205.19 389.34,204.61 390.32,203.63 v2(390.5,203.63) ; 271.06,296.6 271.81,296.6 v1(271.96,296.45) ; 201.73,307.05 202.25,307.05 202.3,307 202.53,307 203.23,306.3 U22001.9 ; v1(375.4,197.25) 375.25,197.4 374.5,197.4 ; 201.77,130.2 202.29,130.2 202.34,130.15 202.57,130.15 203.27,129.45 U132001.9 ; v2(390.5,152.18) 390.32,152.18 389.34,153.17 389.34,153.75 388.78,154.31 U87.9 U87.10 387.26,154.71 386.86,155.11 U87.2 ; 325.24,76.97 v1(324.46,76.97) 324.41,77.02 U66.9 323.08,77.02 322.98,77.12 322.73,77.12 322.03,77.82 U66.2 ; 321.56,179.51 v1(319.83,179.51) ; v1(319.36,44.88) 319.64,44.6 U72.2 321.26,44.6 321.96,43.9 322.16,43.9 322.26,43.8 U72.9 ; U42.2 270.33,73.8 271.03,73.1 271.28,73.1 271.38,73 U42.9 272.71,73 v1(272.76,72.95) 273.54,72.95 ; 374.5,94.51 375.25,94.51 v1(375.4,94.36) ; 271.06,142.1 271.81,142.1 v1(271.96,141.95) ; 269.86,73.75 v1(268.13,73.75) ; v1(267.66,194.73) 267.94,194.45 U35.2 269.56,194.45 270.26,193.75 270.46,193.75 270.56,193.65 U35.9 ; U88.9 374,146.01 373.9,146.11 373.7,146.11 373,146.81 U88.2 371.38,146.81 v1(371.11,147.08) ; 217.16,183.22 217.69,183.22 217.74,183.18 217.96,183.18 218.66,182.47 U36001.9 ; 373.3,129.11 v1(371.57,129.11) ; U94.2 373.77,26.27 374.47,25.57 374.72,25.57 374.82,25.47 U94.9 376.15,25.47 v1(376.2,25.42) 376.98,25.42 ; 201.97,76.05 202.49,76.05 202.54,76 202.77,76 203.47,75.3 U140001.9 ; U50.2 322.03,281.3 322.73,280.6 322.98,280.6 323.08,280.5 U50.9 324.41,280.5 v1(324.46,280.45) 325.24,280.45 ; 376.98,282.64 v1(376.2,282.64) 376.15,282.69 U74.9 374.82,282.69 374.72,282.79 374.47,282.79 373.77,283.49 U74.2 ; U71.2 335.12,52.9 335.52,52.5 U71.10 U71.9 337.04,52.1 337.59,51.54 337.59,50.96 338.58,49.98 v2(338.76,49.98) ; U4001.9 202.79,234.95 202.09,235.65 201.86,235.65 201.81,235.7 201.29,235.7 ; 373.3,180.55 v1(371.57,180.55) ; U36.2 283.42,202.75 283.82,202.35 U36.10 U36.9 285.34,201.95 285.89,201.39 285.89,200.81 286.88,199.83 v2(287.06,199.83) ; v1(267.66,143.23) 267.94,142.95 U39.2 269.56,142.95 270.26,142.25 270.46,142.25 270.56,142.15 U39.9 ; U182001.9 219.93,56.29 219.23,56.99 219.01,56.99 218.96,57.04 218.43,57.04 ; R241.1 272.31,209.98 v1(271.86,209.98) 271.79,210.05 271.76,210.05 271.56,210.25 U37.9 270.48,210.25 270.38,210.35 270.16,210.35 269.46,211.05 U37.2 268.58,211.05 268.26,211.38 v1(267.61,211.38) ; v1(375.4,248.69) 375.25,248.84 374.5,248.84 ; R214.1 272.31,261.48 v1(271.86,261.48) 271.79,261.55 271.76,261.55 271.56,261.75 U33.9 270.48,261.75 270.38,261.85 270.16,261.85 269.46,262.55 U33.2 268.58,262.55 268.26,262.88 v1(267.61,262.88) ; v1(319.36,95.75) 319.64,95.47 U68.2 321.26,95.47 321.96,94.77 322.16,94.77 322.26,94.67 U68.9 ; 216.79,270.6 217.31,270.6 217.36,270.55 217.59,270.55 218.29,269.85 U30001.9 ; 217.1,200.38 217.62,200.38 217.67,200.32 217.9,200.32 218.6,199.62 U37001.9 ; R15006.1 429.39,299.79 v1(428.94,299.79) 428.87,299.85 428.84,299.85 428.64,300.05 U15001.9 427.57,300.05 427.47,300.15 427.24,300.15 426.54,300.85 U15001.2 425.67,300.85 425.34,301.18 v1(424.69,301.18) ; 321.56,281.25 v1(319.83,281.25) ; 373.3,77.66 v1(371.57,77.66) ; 201.53,323.95 202.05,323.95 202.1,323.9 202.33,323.9 203.03,323.2 U25001.9 ; 374.5,300.29 375.25,300.29 v1(375.4,300.14) ; v1(319.36,248.36) 319.64,248.08 U56.2 321.26,248.08 321.96,247.38 322.16,247.38 322.26,247.28 U56.9 ; v1(319.31,315.88) 319.96,315.88 320.28,315.55 U53.2 321.16,315.55 321.86,314.85 322.08,314.85 322.18,314.75 U53.9 323.26,314.75 323.46,314.55 323.49,314.55 v1(323.56,314.48) 324.01,314.48 R349.1 ; v1(267.66,91.73) 267.94,91.45 U43.2 269.56,91.45 270.26,90.75 270.46,90.75 270.56,90.65 U43.9 ; v1(424.59,284.18) 425.24,284.18 425.57,283.85 U14001.2 426.44,283.85 427.14,283.15 427.37,283.15 427.47,283.05 U14001.9 428.54,283.05 428.74,282.85 428.77,282.85 v1(428.84,282.79) 429.29,282.79 R14006.1 ; R322.1 272.31,55.48 v1(271.86,55.48) 271.79,55.55 271.76,55.55 271.56,55.75 U49.9 270.48,55.75 270.38,55.85 270.16,55.85 269.46,56.55 U49.2 268.58,56.55 268.26,56.88 v1(267.61,56.88) ; R295.1 272.31,106.98 v1(271.86,106.98) 271.79,107.05 271.76,107.05 271.56,107.25 U45.9 270.48,107.25 270.38,107.35 270.16,107.35 269.46,108.05 U45.2 268.58,108.05 268.26,108.38 v1(267.61,108.38) ; 201.77,39.54 202.29,39.54 202.34,39.49 202.57,39.49 203.27,38.79 U147001.9 ; v1(319.31,61.53) 319.96,61.53 320.28,61.2 U73.2 321.16,61.2 321.86,60.5 322.08,60.5 322.18,60.4 U73.9 323.26,60.4 323.46,60.2 323.49,60.2 v1(323.56,60.13) 324.01,60.13 R484.1 ; U67.2 335.12,103.77 335.52,103.37 U67.10 U67.9 337.04,102.97 337.59,102.41 337.59,101.83 338.58,100.85 v2(338.76,100.85) ; R457.1 324.01,111 v1(323.56,111) 323.49,111.07 323.46,111.07 323.26,111.27 U69.9 322.18,111.27 322.08,111.37 321.86,111.37 321.16,112.07 U69.2 320.28,112.07 319.96,112.4 v1(319.31,112.4) ; 269.86,279.75 v1(268.13,279.75) ; 321.56,77.77 v1(319.83,77.77) ; 321.56,26.9 v1(319.83,26.9) ; U134001.9 220.07,129.93 219.37,130.62 219.15,130.62 219.1,130.68 218.57,130.68 ; U30.2 270.33,228.3 271.03,227.6 271.28,227.6 271.38,227.5 U30.9 272.71,227.5 v1(272.76,227.45) 273.54,227.45 ; v1(371.11,301.41) 371.38,301.14 U76.2 373,301.14 373.7,300.44 373.9,300.44 374,300.34 U76.9 ; v1(319.31,214.14) 319.96,214.14 320.28,213.81 U61.2 321.16,213.81 321.86,213.11 322.08,213.11 322.18,213.01 U61.9 323.26,213.01 323.46,212.81 323.49,212.81 v1(323.56,212.74) 324.01,212.74 R403.1 ; U79.2 386.86,257.99 387.26,257.59 U79.10 U79.9 388.78,257.19 389.34,256.64 389.34,256.06 390.32,255.07 v2(390.5,255.07) ; v2(287.06,45.33) 286.88,45.33 285.89,46.31 285.89,46.89 285.34,47.45 U48.9 U48.10 283.82,47.85 283.42,48.25 U48.2 ; 269.86,176.75 v1(268.13,176.75)